# Altium PCB Controller.PcbDoc (part 1 of 2) (continued)
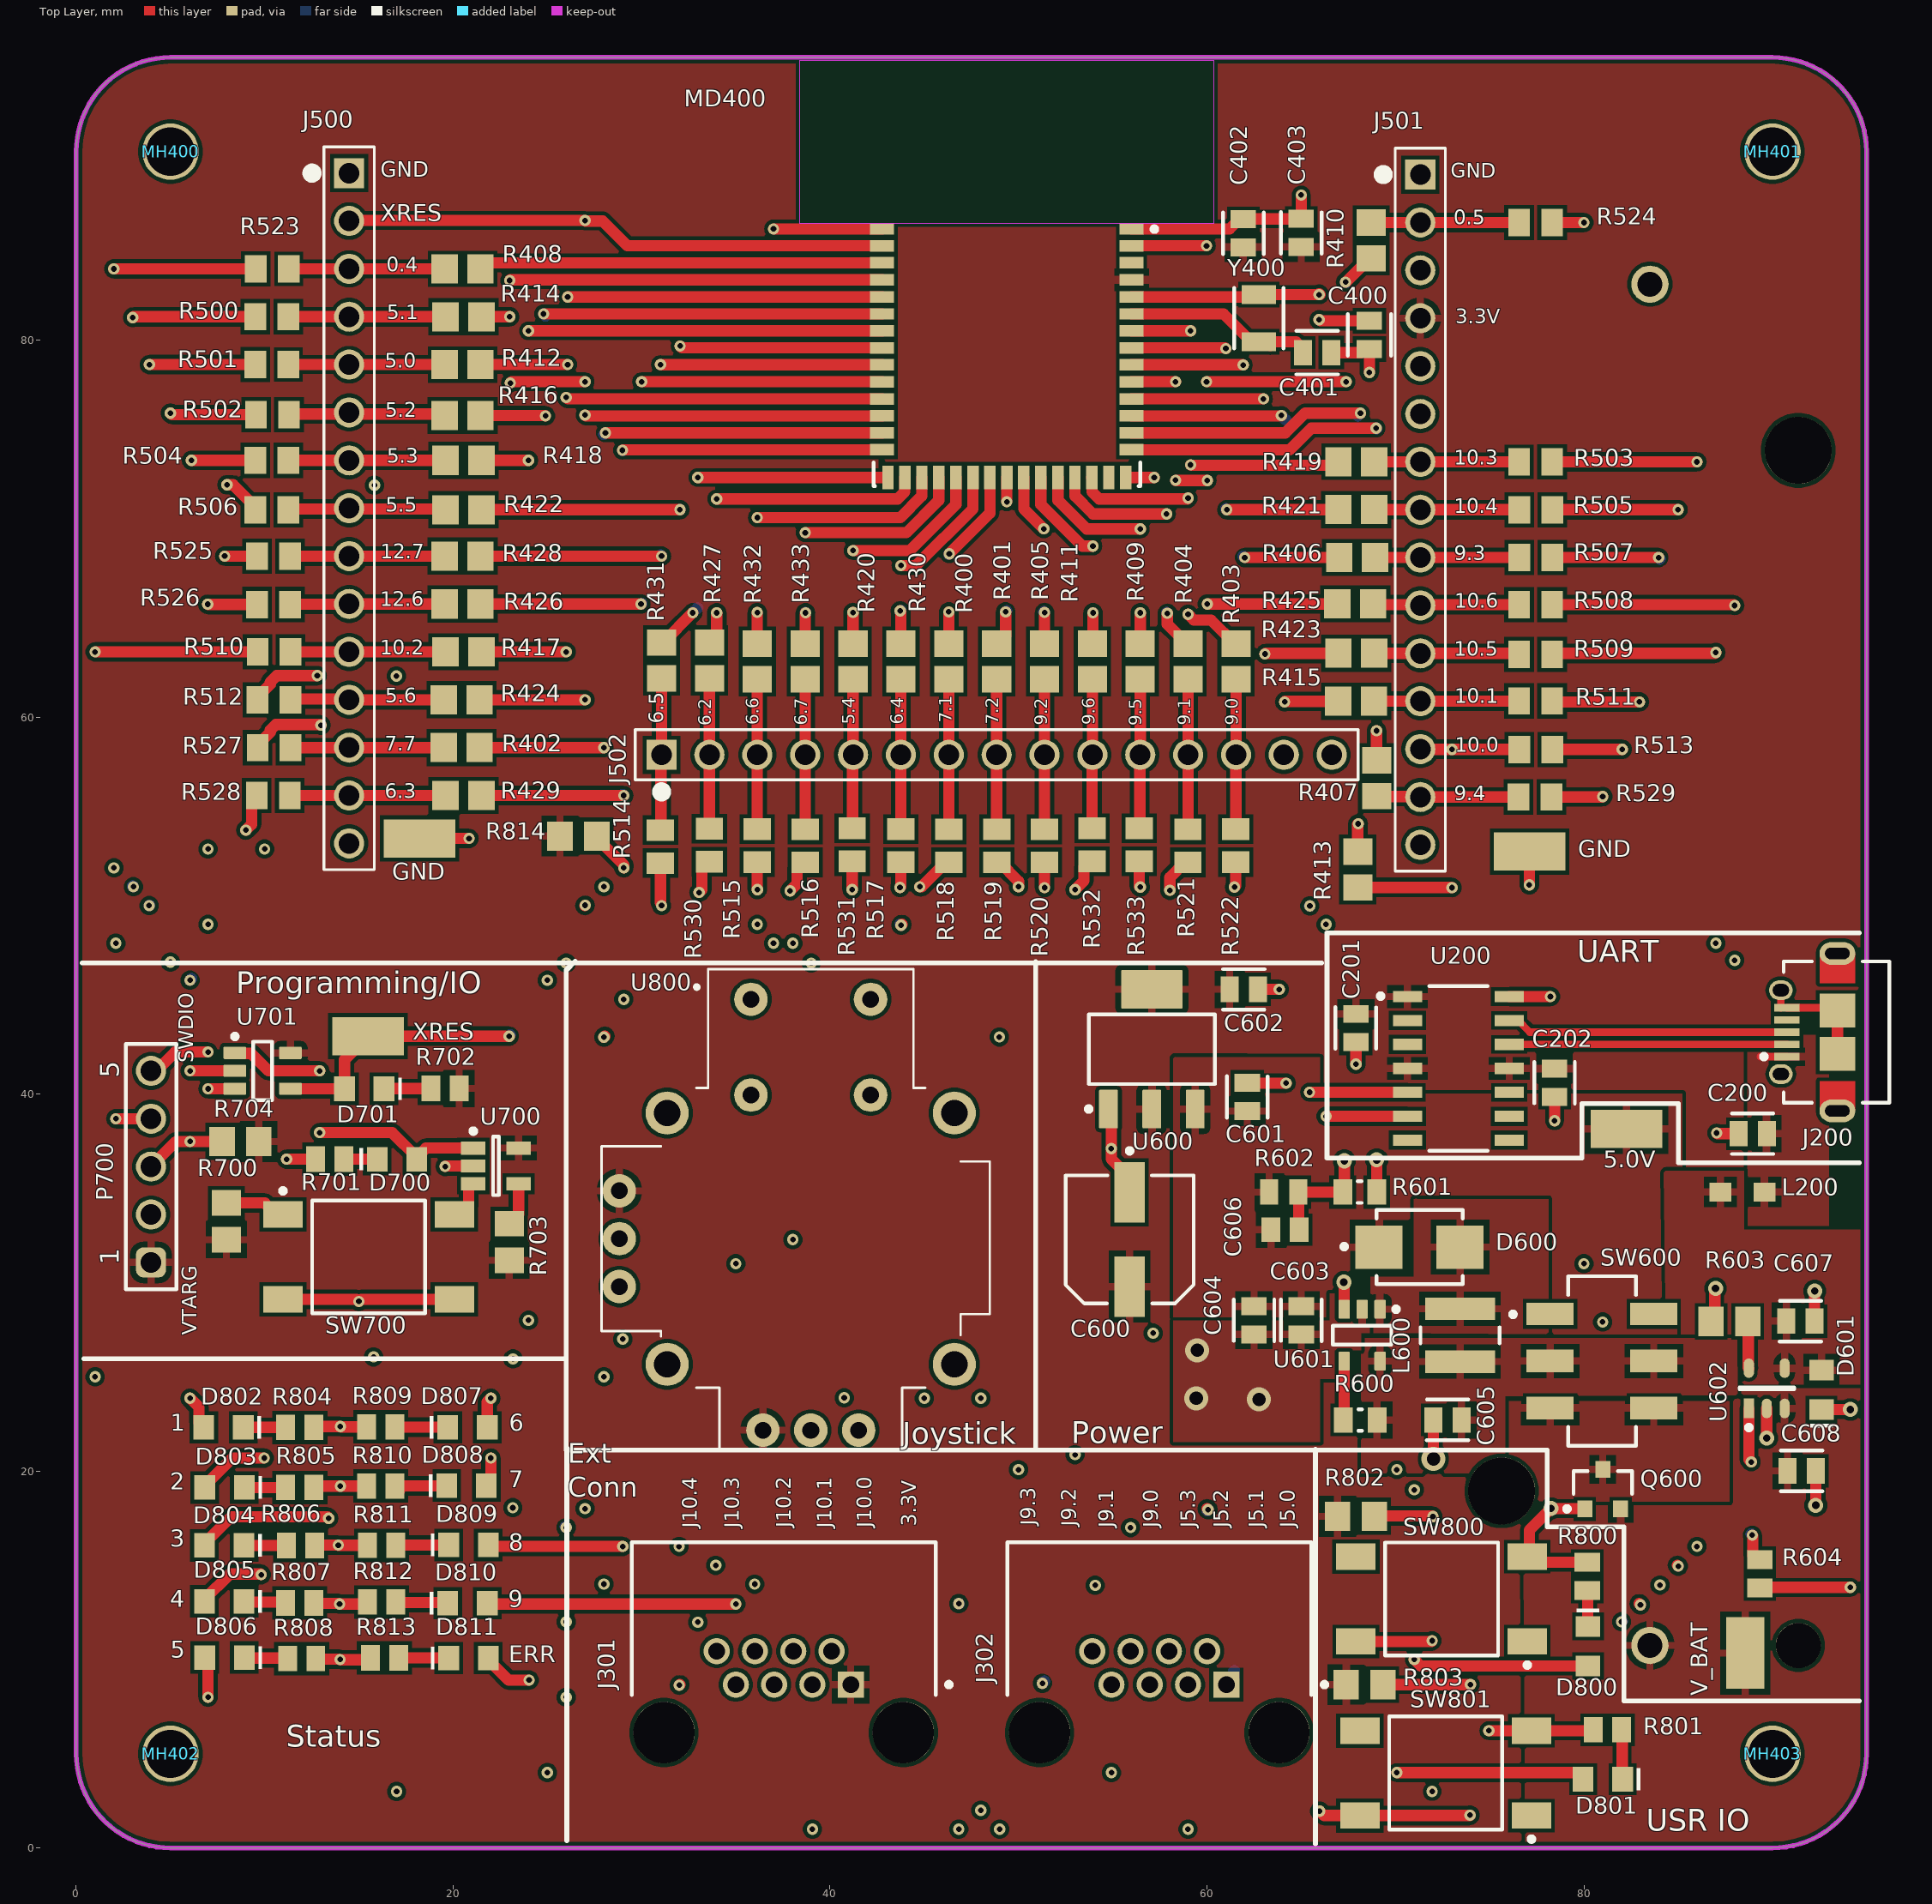
[diagram p0: Top Layer view]
## Classes and differential pairs
component class 08_User_IO: D800 D801 D802 D803 D804 D805 D806 D807 D808 D809 D810 D811 R800 R801 R802 R803 R804 R805 R806 R807 R808 R809 R810 R811 R812 R813 R814 SW800 SW801 U800
component class 07_Programming_Reset: D700 D701 P700 R700 R701 R702 R703 R704 SW700 U700 U701
component class 06_Power: 5.0V BT600 C600 C601 C602 C603 C604 C605 C606 C607 C608 D600 D601 GND L600 Q600 R600 R601 R602 R603 R604 SW600 U600 U601 U602 V_BAT
component class 02_USB_Bridge: C200 C201 C202 J200 L200 U200
component class 05_Mechanical: J500 J501 J502 MH400 MH401 MH402 MH403 R500 R501 R502 R503 R504 R505 R506 R507 R508 R509 R510 R511 R512 R513 R514 R515 R516 R517 R518 R519 R520 R521 R522 R523 R524 R525 R526 R527 R528 R529 R530 R531 R532 R533 U400

## Components (designator, comment, footprint, x,y, rotation, side; value= is the part's Value field where it differs from the comment)
5.0V "" KSTN-5019_V 82.259,38.149 r0 top (schematic designator TP600)
BT600 "1043" BAT_1043 83.506,46.857 r270 bottom
C200 "0.10 uF" FP-C0805C-DN-MFG 88.954,37.898 r180 top value="0.10 μF"
C201 "10uF" FP-C0805C-DG-MFG 67.903,43.5 r270 top
C202 "10uF" FP-C0805C-DG-MFG 78.446,40.602 r270 top
C400 "6.0 pF" FP-CBR08C-MFG 68.617,80.28 r90 top
C401 "6.0 pF" FP-CBR08C-MFG 65.848,79.332 r180 top
C402 "10uF" FP-C0805C-DG-MFG 61.926,85.671 r90 top
C403 "10uF" FP-C0805C-DG-MFG 65,85.684 r90 top
C600 "100uF" FP-SD8-MFG 55.896,32.285 r270 top
C601 "10uF" FP-C0805C-DG-MFG 62.135,39.842 r90 top
C602 "10uF" FP-C0805C-DG-MFG 61.956,45.553 r0 top
C603 "10uF" FP-C0805C-DG-MFG 65.003,27.996 r270 top
C604 "10uF" FP-C0805C-DG-MFG 62.498,27.996 r270 top
C605 "10uF" FP-C0805C-DG-MFG 72.766,22.706 r180 top
C606 "1.8nF" CAPC2013X70X45LL10T25 64.144,32.804 r180 top
C607 "10uF" FP-C0805C-DG-MFG 91.493,27.956 r0 top
C608 "10uF" FP-C0805C-DG-MFG 91.555,20.009 r0 top
D600 "B340LB-13-F" FP-SMB-MFG 71.282,31.879 r0 top value=180pF
D601 "" WL-SMCW_0805_150080xx75000 92.608,24.307 r90 top
D700 "150080GS75000" WL-SMCW_0805_150080xx75000 17.02,36.545 r0 top
D701 "150080RS75000" WL-SMCW_0805_150080xx75000 15.283,40.28 r180 top
D800 "150080GS75000" WL-SMCW_0805_150080xx75000 80.219,10.706 r270 top
D801 "150080GS75000" WL-SMCW_0805_150080xx75000 81.005,3.651 r180 top
D802 "" WL-SMCW_0805_150080xx75000 7.817,22.315 r180 top
D803 "" WL-SMCW_0805_150080xx75000 7.867,19.125 r180 top
D804 "" WL-SMCW_0805_150080xx75000 7.854,16.055 r180 top
D805 "" WL-SMCW_0805_150080xx75000 7.854,13.087 r180 top
D806 "" WL-SMCW_0805_150080xx75000 7.867,10.103 r180 top
D807 "" WL-SMCW_0805_150080xx75000 20.763,22.319 r0 top
D808 "" WL-SMCW_0805_150080xx75000 20.713,19.228 r0 top
D809 "" WL-SMCW_0805_150080xx75000 20.813,16.078 r0 top
D810 "" WL-SMCW_0805_150080xx75000 20.763,12.992 r0 top
D811 "" WL-SMCW_0805_150080xx75000 20.813,10.078 r0 top
GND "" KSTN-5019_V 18.214,53.559 r0 top (schematic designator TP602)
GND "" KSTN-5019_V 77.115,52.866 r0 top (schematic designator TP601)
J200 "47589-0001" MOLX-47589-0001_V 91.952,43.284 r90 top
J301 "RJHSE-5080" FP-RJHSE-5080-MFG 37.54,8.54 r0 top
J302 "RJHSE-5080" FP-RJHSE-5080-MFG 57.47,8.54 r0 top
J500 "68000-115HLF" CONN_15POS_2P54MM 14.482,88.859 r270 top
J501 "68000-115HLF" CONN_15POS_2P54MM 71.319,88.78 r270 top
J502 "68000-115HLF" CONN_15POS_2P54MM 31.06,58 r0 top
L200 "742792093" SMD-0805 88.418,34.804 r180 top
L600 "2.2uH" FP-NR4018-MFG 73.429,27.206 r90 top
MD400 "CYBLE-416045-02" FP-CYBLE-416045-02-MFG 49.381,81.58 r0 top
MH400 "MHOLE_2_55MM" MHOLE_2_55MM 5,90 r0 top
MH401 "MHOLE_2_55MM" MHOLE_2_55MM 90,90 r0 top
MH402 "MHOLE_2_55MM" MHOLE_2_55MM 5,5 r0 top locked
MH403 "MHOLE_2_55MM" MHOLE_2_55MM 90,5 r0 top
P700 "61300511121" 61300511121 3.97,36.15 r90 top
Q600 "" TOSH-SOT-23F_V 81.001,19.042 r90 top
R400 "100R" RESC2013X60X40ML20T25 46.3,62.95 r270 top
R401 "100R" RESC2013X60X40ML20T25 48.84,62.95 r270 top
R402 "100R" RESC2013X60X40ML20T25 20.45,58.379 r180 top
R403 "100R" RESC2013X60X40ML20T25 61.54,62.95 r270 top
R404 "100R" RESC2013X60X40ML20T25 59,62.95 r270 top
R405 "100R" RESC2013X60X40ML20T25 51.38,62.95 r270 top
R406 "100R" RESC2013X60X40ML20T25 67.968,68.467 r0 top
R407 "100R" RESC2013X60X40ML20T25 69,56.76 r270 top
R408 "100R" RESC2013X60X40ML20T25 20.5,83.779 r0 top
R409 "100R" RESC2013X60X40ML20T25 56.46,62.95 r270 top
R410 "100R" RESC2013X60X40ML20T25 68.716,85.29 r270 top
R411 "100R" RESC2013X60X40ML20T25 53.92,62.95 r270 top
R412 "100R" RESC2013X60X40ML20T25 20.5,78.699 r0 top
R413 "100R" RESC2013X60X40ML20T25 68.003,51.913 r270 top
R414 "100R" RESC2013X60X40ML20T25 20.55,81.239 r0 top
R415 "100R" RESC2013X60X40ML20T25 67.91,60.84 r0 top
R416 "100R" RESC2013X60X40ML20T25 20.5,76 r0 top
R417 "100R" RESC2013X60X40ML20T25 20.55,63.459 r180 top
R418 "100R" RESC2013X60X40ML20T25 20.55,73.619 r0 top
R419 "100R" RESC2013X60X40ML20T25 67.918,73.547 r0 top
R420 "100R" RESC2013X60X40ML20T25 41.22,62.95 r90 top
R421 "100R" RESC2013X60X40ML20T25 67.918,71.007 r0 top
R422 "100R" RESC2013X60X40ML20T25 20.55,71 r0 top
R423 "100R" RESC2013X60X40ML20T25 67.918,63.387 r0 top
R424 "100R" RESC2013X60X40ML20T25 20.45,60.919 r0 top
R425 "100R" RESC2013X60X40ML20T25 67.868,66.007 r0 top
R426 "100R" RESC2013X60X40ML20T25 20.5,66 r180 top
R427 "100R" RESC2013X60X40ML20T25 33.6,63 r90 top
R428 "100R" RESC2013X60X40ML20T25 20.5,68.539 r180 top
R429 "100R" RESC2013X60X40ML20T25 20.55,55.839 r0 top
R430 "100R" RESC2013X60X40ML20T25 43.76,62.95 r90 top
R431 "100R" RESC2013X60X40ML20T25 31.06,63 r90 top
R432 "100R" RESC2013X60X40ML20T25 36.14,62.95 r90 top
R433 "100R" RESC2013X60X40ML20T25 38.68,62.95 r90 top
R500 "0R" RESC2013X70X40NL20T20 10.375,81.239 r180 top
R501 "0R" RESC2013X70X40NL20T20 10.375,78.699 r180 top
R502 "0R" RESC2013X70X40NL20T20 10.415,76.04 r180 top
R503 "0R" RESC2013X70X40NL20T20 77.438,73.54 r0 top
R504 "0R" RESC2013X70X40NL20T20 10.375,73.619 r180 top
R505 "0R" RESC2013X70X40NL20T20 77.449,71 r0 top
R506 "0R" RESC2013X70X40NL20T20 10.375,71 r180 top
R507 "0R" RESC2013X70X40NL20T20 77.449,68.46 r0 top
R508 "0R" RESC2013X70X40NL20T20 77.438,65.96 r0 top
R509 "0R" RESC2013X70X40NL20T20 77.438,63.331 r0 top
R510 "0R" RESC2013X70X40NL20T20 10.5,63.459 r180 top
R511 "0R" RESC2013X70X40NL20T20 77.438,60.854 r0 top
R512 "0R" RESC2013X70X40NL20T20 10.496,60.921 r180 top
R513 "0R" RESC2013X70X40NL20T20 77.449,58.277 r0 top
R514 "0R" RESC2013X70X40NL20T20 31,53.125 r270 top
R515 "0R" RESC2013X70X40NL20T20 36.14,53.174 r270 top
R516 "0R" RESC2013X70X40NL20T20 38.68,53.167 r270 top
R517 "0R" RESC2013X70X40NL20T20 43.76,53.174 r270 top
R518 "0R" RESC2013X70X40NL20T20 46.3,53.167 r270 top
R519 "0R" RESC2013X70X40NL20T20 48.844,53.167 r270 top
R520 "0R" RESC2013X70X40NL20T20 51.38,53.167 r270 top
R521 "0R" RESC2013X70X40NL20T20 58.986,53.167 r270 top
R522 "0R" RESC2013X70X40NL20T20 61.529,53.174 r270 top
R523 "0R" RESC2013X70X40NL20T20 10.4,83.779 r180 top
R524 "0R" RESC2013X70X40NL20T20 77.438,86.235 r0 top
R525 "0R" RESC2013X70X40NL20T20 10.475,68.539 r180 top
R526 "0R" RESC2013X70X40NL20T20 10.475,65.972 r180 top
R527 "0R" RESC2013X70X40NL20T20 10.5,58.379 r180 top
R528 "0R" RESC2013X70X40NL20T20 10.456,55.834 r180 top
R529 "0R" RESC2013X70X40NL20T20 77.403,55.76 r0 top
R530 "0R" RESC2013X70X40NL20T20 33.6,53.196 r270 top
R531 "0R" RESC2013X70X40NL20T20 41.171,53.22 r270 top
R532 "0R" RESC2013X70X40NL20T20 53.896,53.22 r270 top
R533 "0R" RESC2013X70X40NL20T20 56.411,53.22 r270 top
R600 "10kR" RESC2013X60X35NL10T20 68.133,22.706 r0 top
R601 "10kR" RESC2013X60X35NL10T20 68.104,34.8 r180 top
R602 "30kR" RESC2013X70X40LL20T20 64.077,34.8 r180 top
R603 "2.1kR" RESC2013X70X40ML20T20#1 87.721,27.937 r180 top
R604 "330R" RESC2013X60X40LL20T25 89.337,14.557 r90 top
R700 "10kR" RESC2013X70X40ML20T20#1 7.97,33.249 r270 top
R701 "330R" RESC2013X60X40LL20T25 13.452,36.545 r180 top
R702 "330R" RESC2013X60X40LL20T25 19.57,40.298 r180 top
R703 "10kR" RESC2013X70X40ML20T20#1 22.974,32.152 r270 top
R704 "10kR" RESC2013X70X40ML20T20#1 8.715,37.485 r0 top
R800 "330R" RESC2013X60X40LL20T25 80.179,14.411 r90 top
R801 "330R" RESC2013X60X40LL20T25 81.255,6.273 r180 top
R802 "10kR" RESC2013X70X40ML20T20#1 67.905,17.6 r180 top
R803 "10kR" RESC2013X70X40ML20T20#2 63.098,8.667 r180 top
R804 "330R" RESC2013X60X40LL20T25 11.867,22.315 r0 top
R805 "330R" RESC2013X60X40LL20T25 11.867,19.125 r0 top
R806 "330R" RESC2013X60X40LL20T25 11.908,16.05 r0 top
R807 "330R" RESC2013X60X40LL20T25 11.859,13 r0 top
R808 "330R" RESC2013X60X40LL20T25 11.962,10.05 r0 top
R809 "330R" RESC2013X60X40LL20T25 16.157,22.344 r180 top
R810 "330R" RESC2013X60X40LL20T25 16.157,19.203 r180 top
R811 "330R" RESC2013X60X40LL20T25 16.207,16.053 r180 top
R812 "330R" RESC2013X60X40LL20T25 16.207,13.053 r180 top
R813 "330R" RESC2013X60X40LL20T25 16.356,10.088 r180 top
R814 "10kR" RESC2013X70X40ML20T20#1 26.647,53.687 r180 top
SW600 "JS202011SCQN" FP-JS202011SCQN-MFG 80.959,25.837 r270 top
SW700 "" TECO-FSM4JSMA_V 15.52,31.36 r90 top
SW800 "FSM4JSMA" TECO-FSM4JSMA_V 72.446,13.209 r270 top
SW801 "FSM4JSMA" TECO-FSM4JSMA_V 72.667,3.974 r270 top
U200 "MCP2221A-I/SL" FP-C04-065-SL-MFG 73.34,41.36 r0 top
U400 "Bucky" WalkingBucky 47.908,69.781 r180 bottom
U600 "TLV1117LV33DCYT" DCY0004A_M 57.074,42.378 r90 top
U601 "LM2735XMF/NOPB" DBV0005A_N 68.233,27.206 r270 top
U602 "MCP73831T-2ATI/OT" FP-C04-091-OT-IPC_C 89.704,24.39 r90 top
U700 "MCP1316T-29LE/OT" SOT-23-OT5_M 22.27,36.185 r0 top
U701 "SN74LVC1G08DBVR" DBV0005A_M 9.89,41.23 r0 top
U800 "COM-09032" XDCR_COM-09032 38.977,32.326 r0 top
V_BAT "" KSTN-5019_V 88.557,10.341 r90 top
XRES "" KSTN-5019_V 15.482,43.069 r0 top (schematic designator TP400)
Y400 "32.768 kHz" FP-ABS07-120-MFG 62.752,81.16 r270 top

## Footprints (in the part's own frame and the unit in brackets; to place one, negate y for a bottom-side part, rotate by r counter-clockwise, add the part's x,y. Pads: shape width x height; smd on the part's side, far side on the other; paste and mask are expansions set on the pad)
61300511121 [mm] "Pin Header, pitch 2.54 mm, THT, Vertical, single row, 5p"
  rrect50% 1.6x1.6 hole 1.1: 1(-5.08,0)
  round 1.6 hole 1.1: 2(-2.54,0) 3(0,0) 4(2.54,0) 5(5.08,0)
  silkscreen extent -6.5,-1.35 6.5,1.35, body extent -6.35,-1.27 6.35,1.27, height 8.57
BAT_1043 [mm]
  round 1.98 hole 1.32: N(-36.11,0) P(36.11,0)
  round 3.55 hole 3.55 unplated: ""(-27.29,-7.87) ""(27.91,7.87)
  round 2.39 hole 2.39 unplated: ""(36.11,-7.87)
  silkscreen extent -41,-10.33 41,10.33, body extent -38.53,-10.33 38.53,10.33, height 14.86
CAPC2013X70X45LL10T25 [mm] "Chip Capacitor, 2-Leads, Body 2.00x1.25mm, IPC High Density"
  rect 1x1.3 smd: 1(-0.75,0) 2(0.75,0)
  body extent -1.05,-0.67 1.05,0.68, height 0.7
CONN_15POS_2P54MM [mil]
  rect 63x63 / inner round 60 / far side rect 63x63 hole 43 paste-99999 mask+0: 1(0,0)
  round 63 / inner round 60 / far side round 63 hole 43 paste-99999 mask+0: 2(100,0) 3(200,0) 4(300,0) 5(400,0) 6(500,0) 7(600,0) 8(700,0) 9(800,0) 10(900,0) 11(1000,0) 12(1100,0) 13(1200,0) 14(1300,0) 15(1400,0)
  silkscreen extent -55,-87 1455,53, body extent -50,-47 1450,47, height 330
DBV0005A_M [mm] "SOT23, 5-Leads, Body 3.05x1.75mm, Pitch 0.95mm, IPC Low Density"
  rrect15% 1.2x0.65 smd: 1(-1.475,0.95) 2(-1.475,0) 3(-1.475,-0.95) 4(1.475,-0.95) 5(1.475,0.95)
  silkscreen extent -1.6,-1.55 0.5,1.95, body extent -1.42,-1.46 1.42,1.46, height 1.08
DBV0005A_N [mm] "SOT23, 5-Leads, Body 3.05x1.75mm, Pitch 0.95mm, IPC Medium Density"
  rrect17% 1x0.6 smd: 1(-1.375,0.95) 2(-1.375,0) 3(-1.375,-0.95) 4(1.375,-0.95) 5(1.375,0.95)
  silkscreen extent -1.5,-1.55 0.5,1.93, body extent -1.42,-1.46 1.42,1.46, height 1.08
DCY0004A_M [mm] "SOT223, 4-Leads, Body 6.7x3.7mm, Pitch 2.3mm, IPC Low Density"
  rrect10% 2.05x1 smd: 1(-3.175,2.3) 2(-3.175,0) 3(-3.175,-2.3)
  rrect5% 2.05x3.25 smd: 4(3.175,0)
  silkscreen extent -3.3,-3.35 1.85,3.47, body extent -3.5,-3.25 3.5,3.25, height 1.62
FP-ABS07-120-MFG [mm]
  rect 1x1.8 smd paste+0 mask+0: 1(-1.25,0) 2(1.25,0)
  silkscreen extent -1.6,-1.3 1.6,1.3, body extent -1.85,-1 1.85,1, height 0.25
FP-C04-065-SL-MFG [mm]
  rect 1.55x0.6 smd paste+0 mask+0: 1(-2.7,3.81) 2(-2.7,2.54) 3(-2.7,1.27) 4(-2.7,0) 5(-2.7,-1.27) 6(-2.7,-2.54) 7(-2.7,-3.81) 8(2.7,-3.81) 9(2.7,-2.54) 10(2.7,-1.27) 11(2.7,0) 12(2.7,1.27) 13(2.7,2.54) 14(2.7,3.81)
  silkscreen extent -4.25,-4.38 1.55,4.38, body extent -3.57,-4.62 3.57,4.62, height 0.25
FP-C04-091-OT-IPC_C [mm]
  rect 1.038x0.538 smd paste+0 mask+0: 1(-1.066,0.95)
  rrect100% 1.038x0.538 smd paste+0 mask+0: 2(-1.066,0) 3(-1.066,-0.95) 4(1.066,-0.95) 5(1.066,0.95)
  silkscreen extent -2.21,-1.45 0.05,1.45
FP-C0805C-DG-MFG [mm]
  rect 0.95x1.35 smd paste+0 mask+0: 1(-0.75,0) 2(0.75,0)
  silkscreen extent -1.11,-1.08 1.1,1.07, body extent -1.4,-0.85 1.4,0.85, height 0.25
FP-C0805C-DN-MFG [mm]
  rect 0.95x1.35 smd paste+0 mask+0: 1(-0.75,0) 2(0.75,0)
  silkscreen extent -1.1,-1.07 1.1,1.07, body extent -1.4,-0.85 1.4,0.85, height 0.25
FP-CBR08C-MFG [mm]
  rect 0.95x1.35 smd paste+0 mask+0: 1(-0.75,0) 2(0.75,0)
  silkscreen extent -1.1,-1.15 1.1,1.15, body extent -1.4,-0.85 1.4,0.85, height 0.25
FP-CYBLE-416045-02-MFG [mm]
  rect 1.27x0.61 smd paste+0 mask+0: 1(6.619,4.32) 2(6.619,3.42) 3(6.619,2.52) 4(6.619,1.62) 5(6.619,0.71) 6(6.619,-0.19) 7(6.619,-1.09) 8(6.619,-1.99) 9(6.619,-2.89) 10(6.619,-3.79) 11(6.619,-4.7) 12(6.619,-5.6) 13(6.619,-6.5) 14(6.619,-7.4) 30(-6.619,-7.4) 31(-6.619,-6.5) 32(-6.619,-5.6) 33(-6.619,-4.7) 34(-6.619,-3.79) 35(-6.619,-2.89) 36(-6.619,-1.99) 37(-6.619,-1.09) 38(-6.619,-0.19) 39(-6.619,0.71) 40(-6.619,1.62) 41(-6.619,2.52) 42(-6.619,3.42) 43(-6.619,4.32)
  rect 0.61x1.27 smd paste+0 mask+0: 15(6.31,-8.869) 16(5.41,-8.869) 17(4.51,-8.869) 18(3.61,-8.869) 19(2.71,-8.869) 20(1.8,-8.869) 21(0.9,-8.869) 22(0,-8.869) 23(-0.9,-8.869) 24(-1.8,-8.869) 25(-2.7,-8.869) 26(-3.61,-8.869) 27(-4.51,-8.869) 28(-5.41,-8.869) 29(-6.31,-8.869)
  Keep-Out Layer region: -11,4.63 11,4.63 11,13.25 -11,13.25
  Keep-Out Layer region: -11,4.63 11,4.63 11,13.25 -11,13.25
  silkscreen extent -7.07,-9.33 7.95,4.43, body extent -11,-9.6 11,13.25, height 0.25
FP-JS202011SCQN-MFG [mm]
  rect 1.2x2.5 smd paste+0 mask+0: 1(-2.5,-2.75) 2(0,-2.75) 3(2.5,-2.75) 4(-2.5,2.75) 5(0,2.75) 6(2.5,2.75)
  silkscreen extent -4.5,-4.85 4.5,1.8, body extent -4.6,-4.1 4.6,4.1, height 0.25
FP-NR4018-MFG [mm]
  rect 1.2x3.7 smd paste+0 mask+0: 1(-1.4,0) 2(1.4,0)
  silkscreen extent -0.43,-2.1 0.43,2.1, body extent -2.2,-2.2 2.2,2.2, height 0.25
FP-RJHSE-5080-MFG [mm]
  rect 1.39x1.39 hole 0.89 paste-1000 mask+0: 1(3.556,0.127)
  round 1.39 hole 0.89 paste-1000 mask+0: 2(2.54,1.905) 3(1.524,0.127) 4(0.508,1.905) 5(-0.508,0.127) 6(-1.524,1.905) 7(-2.54,0.127) 8(-3.556,1.905)
  round 3.25 hole 3.25 unplated paste-1000 mask+0: ""(-6.35,-2.413) ""(6.35,-2.413)
  silkscreen extent -8.06,-0.41 8.89,7.68, body extent -8.16,-7.78 8.16,7.78, height 0.25
FP-SD8-MFG [mm]
  rect 3.2x1.6 smd paste+0 mask+0: 1(-2.5,0) 2(2.5,0)
  silkscreen extent -4.82,-3.4 3.4,3.4, body extent -4.35,-3.65 4.35,3.65, height 0.25
FP-SMB-MFG [mm]
  rect 2.5x2.3 smd paste+0 mask+0: 1(-2.15,0) 2(2.15,0)
  silkscreen extent -4.12,-1.97 2.28,1.97, body extent -3.5,-2.07 3.5,2.07, height 0.25
KSTN-5019_V [mm] "Test Point, 1-Leads, Body 3.81x2.03mm"
  rect 3.8x2.03 smd: 1(0,0)
  body extent -1.9,-1.01 1.9,1.02, height 2.29
MHOLE_2_55MM [mm]
  round 3 / inner round 4.572 / far side round 4.318 hole 2.55: 1(0,0)
MOLX-47589-0001_V [mm] "SMD, 5-Leads, Body 7.5x5.6mm, Pitch 0.65mm"
  rect 0.4x1.35 smd: 1(-1.3,1.175) 2(-0.65,1.175) 3(0,1.175) 4(0.65,1.175) 5(1.3,1.175)
  oval 1.05x1.25 hole 0.65 slot 0.85 at 90 deg: 6(-2.225,1.5) 7(2.225,1.5)
  oval 1.2x1.9 hole 0.6 slot 1.3 at 90 deg: 8(-4.175,-1.5) 11(4.175,-1.5)
  rect 1.8x1.9 smd: 9(-1.15,-1.5) 10(1.15,-1.5)
  Top Layer region: 2.6,-2.45 4.175,-2.45 4.175,-0.55 2.6,-0.55
  Top Layer region: -2.6,-0.55 -4.175,-0.55 -4.175,-2.45 -2.6,-2.45
  silkscreen extent -3.75,-4.25 3.75,2.52, body extent -4.32,-4.25 4.32,1.64, height 2.74
RESC2013X60X35NL10T20 [mm] "Chip Resistor, 2-Leads, Body 2.1x1.35mm, IPC Medium Density"
  rect 1x1.35 smd: 1(-0.9,0) 2(0.9,0)
  silkscreen extent -0.1,-0.58 0.1,0.58, body extent -1.05,-0.68 1.05,0.67, height 0.6
RESC2013X60X40LL20T25 [mm] "Chip Resistor, 2-Leads, Body 2.00x1.25mm, IPC High Density"
  rect 1x1.35 smd: 1(-0.75,0) 2(0.75,0)
  body extent -1.1,-0.72 1.1,0.72, height 0.6
RESC2013X60X40ML20T25 [mm] "Chip Resistor, 2-Leads, Body 2.00x1.25mm, IPC Low Density"
  rect 1.4x1.55 smd: 1(-0.95,0) 2(0.95,0)
  body extent -1.1,-0.72 1.1,0.72, height 0.6
RESC2013X70X40LL20T20 [mm]
  rect 0.95x1.35 smd: 1(-0.775,0) 2(0.775,0)
  body extent -1.1,-0.72 1.1,0.72, height 0.7
RESC2013X70X40ML20T20#1 [mm] "Chip Resistor, 2-Leads, Body 2.00x1.25mm, IPC Low Density"
  rect 1.35x1.55 smd: 1(-0.975,0) 2(0.975,0)
  body extent -1.1,-0.72 1.1,0.72, height 0.7
RESC2013X70X40ML20T20#2 [mm] "Chip Resistor, 2-Leads, Body 2.00x1.25mm, IPC Low Density"
  rect 1.35x1.55 smd: 1(-6.234,0) 2(-4.284,0)
  body extent -1.1,-0.72 1.1,0.72, height 0.7
RESC2013X70X40NL20T20 [mm] "Chip Resistor, 2-Leads, Body 2.00x1.25mm, IPC Medium Density"
  rect 1.15x1.45 smd: 1(-0.875,0) 2(0.875,0)
  body extent -1.1,-0.72 1.1,0.72, height 0.7
SMD-0805 [mm] "Chip Inductor, 2-Leads, Body 2.0x1.2mm"
  rect 1.15x1 smd: 1(-1.175,0) 2(1.175,0)
  body extent -1,-0.6 1,0.6, height 0.89
SOT-23-OT5_M [mm] "SOT23, 5-Leads, Body 2.9x1.7mm, Pitch 0.95mm, Lead Span 2.8mm, IPC Low Density"
  rect 1.3x0.7 smd: 1(-1.2,0.95) 2(-1.2,0) 3(-1.2,-0.95) 4(1.2,-0.95) 5(1.2,0.95)
  silkscreen extent -1.32,-1.55 0.15,1.97, body extent -0.9,-1.55 0.9,1.55, height 1.45
TECO-FSM4JSMA_V [mm] "SMD, 4-Leads, Body 6x6mm, Pitch 4.5mm"
  rect 1.4x2.1 smd: 1(2.25,4.55) 2(2.25,-4.55) 3(-2.25,4.55) 4(-2.25,-4.55)
  silkscreen extent -3,-3 3.62,4.67, body extent -3,-5 3,5, height 5.08
TOSH-SOT-23F_V [mm] "SOTFL, 3-Leads, Body 3.1x1.9mm, Pitch 0.95mm"
  rect 0.9x0.8 smd: 1(-1.05,0.95) 2(-1.05,-0.95) 3(1.05,0)
  silkscreen extent -1.17,-1.55 0.95,2.02, body extent -1.2,-1.55 1.2,1.55, height 0.88
WalkingBucky [mm]
  silkscreen extent -7.42,1.75 9.8,12.73
WL-SMCW_0805_150080xx75000 [mm] "SMD Mono-color Chip LED, body 2.0x1.25mm"
  rect 1.1x1.3 smd: 1(-1.05,0) 2(1.05,0)
  silkscreen extent -2,-0.6 -1.8,0.6, body extent -1,-0.63 1,0.62, height 0.7
XDCR_COM-09032 [mil]
  round 70 hole 35.43: B1A(-125,500) B1B(125,500) B2A(-125,300) B2B(125,300)
  round 70 hole 35: H1(-100,-400) H2(0,-400) H3(100,-400) V1(-400,100) V2(-400,0) V3(-400,-100)
  round 90 hole 55: S1(-300,262.5) S2(-300,-262.5) S3(300,-262.5) S4(300,262.5)
  silkscreen extent -437,-437 374,563, body extent -525,-525 525,562, height 1190

## Part data
5.0V GND GND V_BAT XRES: library part CMP-1672-00008-1, "Test Point, 1 Position SMD, RoHS, Tape and Reel", Package Quantity=1000, ComponentLink1Description="Manufacturer URL", ComponentLink1URL=http://www.keyelco.com/, ComponentLink2Description=Datasheet, ComponentLink2URL=http://www.keyelco.com/product-pdf.cfm?p=1357, Contact Plating=Silver, DatasheetVersion=03/2014, Mount="Surface Mount", Mounting Technology="Surface Mount", PackageDescription="1-Pin Surface Mount Device, Body 3.81 x 2.03 mm", PackageReference=5019, Packaging="Tape and Reel", Pins=1, RoHSCompliant=True
BT600: "Conn Terminal Strip 2 POS Solder Lug ST", Manufacturer="Keystone Electronics", Max Operating Temperature=145°C, Min Operating Temperature=-50°C, Package Quantity=100, Supplier Part Number=36-1043-ND, Body Material=Nylon, Category="Passive Components", ComponentLink1Description=https://datasheet.ciiva.com/4/1043-4710.pdf?src-supplier=Digi-Key, ComponentLink1URL=https://datasheet.ciiva.com/4/1043-4710.pdf?src-supplier=Digi-Key, ComponentLink2Description=https://datasheet.ciiva.com/3353/1043-eng-tds-3353208.pdf?src-supplier=Distrelec, ComponentLink2URL=https://datasheet.ciiva.com/3353/1043-eng-tds-3353208.pdf?src-supplier=Distrelec, ComponentLink3Description=https://datasheet.ciiva.com/41803/1043-41803215.pdf?src-supplier=Digi-Key, ComponentLink3URL=https://datasheet.ciiva.com/41803/1043-41803215.pdf?src-supplier=Digi-Key, ComponentLink4Description=https://datasheet.ciiva.com/4642/1043-4642493.pdf?src-supplier=Mouser, ComponentLink4URL=https://datasheet.ciiva.com/4642/1043-4642493.pdf?src-supplier=Mouser, Contact Material="Stainless Steel", Contact Plating=Gold, Manufacturer 1="Keystone Electronics", Manufacturer Part Number=1043, Manufacturer Part Number 1=1043, Material=Nylon, Mount="Through Hole,PCB", Mounting Technology="Through Hole,PCB", Number of Cells=1, Number of Pins=1, Packaging=Tray, Pins=1, Pricing="1=2.85, 10=2.62, 25=2.39, 50=2.18, 100=1.97, 500=1.7 (USD)", Pricing 1="1=3.00000, 25=2.52400, 100=2.08850, 250=1.92020, 500=1.80144 (USD)", RoHS=Yes, Series=-, Stock=4788, Stock 1=3564, Supplier=Digi-Key, Termination="PC Pin"
C200: library part CMP-2007-00279-2, "CAP CER 0.1UF 50V X7R 0805", Capacitance="0.10 μF", Manufacturer=KEMET, Manufacturer Part Number=C0805C104K5RACTU, Package=C0805C-DN, Temperature="-55°C to +125°C", Temperature Characteristic=X7R, Temperature Coefficient=30ppm/°C, Temperature Range High=+125°C, Temperature Range Low=-55°C, Tolerance=0.1, Voltage Rating="50 V", Automotive=No, Category=Cap, ComponentLink2Description=Datasheet, ComponentLink2URL=https://content.kemet.com/datasheets/KEM_C1003_C0G_SMD.pdf, Device Class L1="Passive Components", Device Class L2=Capacitors, Device Class L3="Ceramic Capacitors", Digikey Description="CAP CER 0.1UF 50V X7R 0805", Height=0.88mm, Ipc Land Pattern Name=CAPC200125X78, Lead Free=Yes, Material=Ceramic, Mouser Description="Cap Ceramic 0.1uF 50V X7R 10% SMD 2.0 x 1.2 mm 125 C Paper T/R", Octopart=https://octopart.com/c0805c104k5ractu-kemet-143926, RoHS=TRUE